# Altium PCB Omarichet_EPS - Copy.PcbDoc (part 1 of 3) (continued)
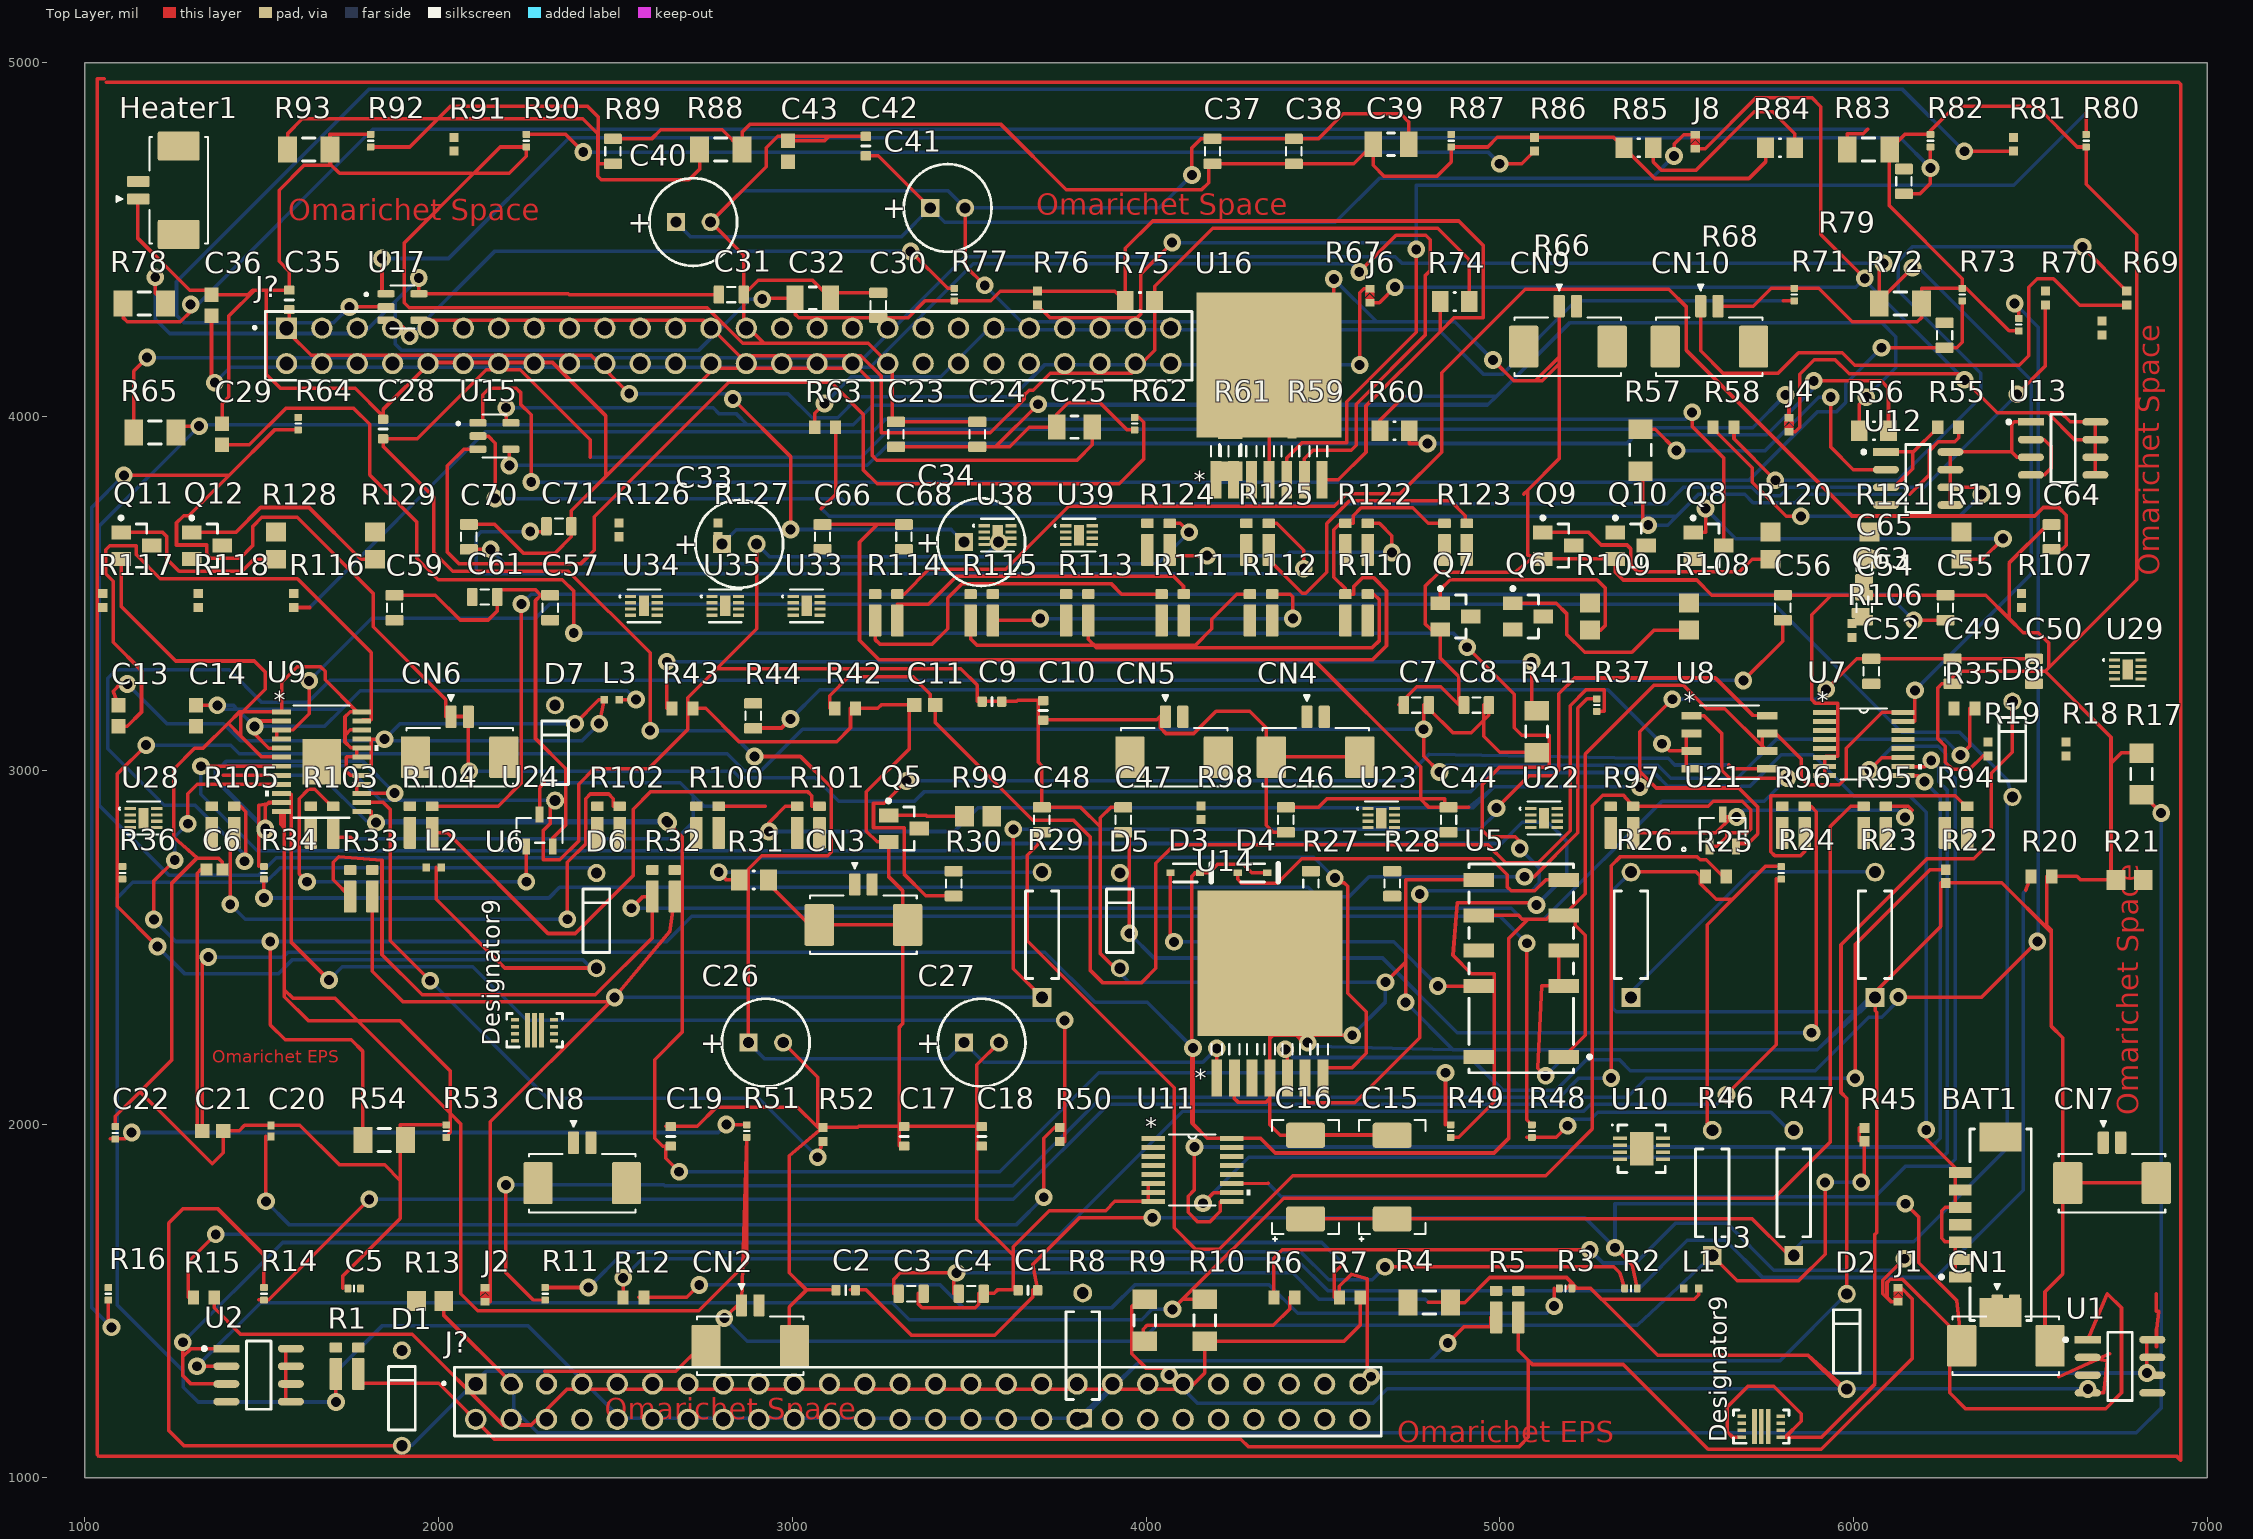
[diagram p0: Top Layer view]
## Components (designator, comment, footprint, x,y, rotation, side; value= is the part's Value field where it differs from the comment) (continued)
R19 "Resistor 1k +/-1% 0402 100 mW" RESC1005X40X25ML05T05 6381.18,3060 r90 top value=1k
R20 "Resistor 100k +/-1% 0603 100 mW" RESC1608X55X25ML10T15 6531.18,2700 r0 top value=100k
R21 "Resistor 1k +/-1% 0805 125 mW" RESC2013X70X40ML20T20 6781.18,2690 r0 top value=1k
R22 "Resistor 10R +/-5% 0402 63 mW" RESC1005X40X25ML10T10 6261.18,2700 r90 top value=10
R23 "MFR-25FBF52-10K" RESA60-630X240 6061.18,2535 r90 top value=10k
R24 "Resistor 25K5 +/-1 % 0402 63 mW" RESC0402(1005)_L 5796.18,2710 r90 top value=25.5k
R25 "Resistor 10k +/-1% 0603 100 mW" RESC1608X55X25ML10T15 5611.18,2700 r0 top value=10k
R26 "MFR-25FBF52-10K" RESA60-630X240 5371.18,2535 r90 top value=10k
R27 "Resistor 1K +/-5% 0805 125 mW" RESC0805(2012)_L 4466.18,2680 r90 top value=1k
R28 "Resistor 1K +/-5% 0805 125 mW" RESC0805(2012)_L 4696.18,2680 r90 top value=1k
R29 "MFR-25FBF52-22K1" RESA60-630X240 3706.18,2535 r90 top value=22.1k
R30 "Resistor 1K +/-5% 0805 125 mW" RESC0805(2012)_L 3456.18,2680 r90 top value=1k
R31 "Resistor 10k +/-1% 0805 125 mW" RESC2013X50X35ML15T15 2891.18,2690 r0 top value=10k
R32 "Resistor 7mR +/-1% 1206 63 mW" SUSUMU-3216T4A 2636.18,2665 r0 top value=7m
R33 "Resistor 7mR +/-1% 1206 63 mW" SUSUMU-3216T4A 1781.18,2665 r0 top value=7m
R34 "Resistor 200K +/-1 % 0402 63 mW" RESC0402(1005)_L 1506.18,2710 r90 top value=200k
R35 "Resistor 100k +/-1% 0603 100 mW" RESC1608X55X25ML10T15 6314.43,3174.25 r0 top value=100k
R36 "Resistor 1M +/-1 % 0402 63 mW" RESC0402(1005)_L 1106.18,2710 r90 top value=1M
R37 "Resistor 2K +/-5 % 0402 63 mW" RESC0402(1005)_L 5274.43,3184.25 r90 top value=2k
R41 "Resistor 0R +/- 0.05% 1206 250 mW" RESC3116X70X50ML13T20 5104.43,3109.25 r90 top value=0
R42 "Resistor 10k +/-1% 0603 100 mW" RESC1608X55X25ML10T15 3149.43,3174.25 r0 top value=10k
R43 "Resistor 100k +/-1% 0603 100 mW" RESC1608X55X25ML10T15 2689.43,3174.25 r0 top value=100k
R44 "Resistor 1K +/-5% 0805 125 mW" RESC0805(2012)_L 2889.43,3154.25 r90 top value=1k
R45 "Resistor 15k +/-1% 0402 63 mW" RESC1005X40X25ML10T10 6031.18,1970 r90 top value=15k
R46 "MFR-25FBF52-475K" RESA60-630X240 5601.18,1805 r90 top value=475k
R47 "MFR-25FBF52-1M" RESA60-630X240 5831.18,1805 r90 top value=1M
R48 "953KR2F" RESC0402(1005)_L 5091.18,1980 r90 top value=953k
R49 "Resistor 383K +/-1 % 0402 63 mW" RESC0402(1005)_L 4861.18,1980 r90 top value=383k
R50 "Resistor 100k +/-1% 0402 63 mW" RESC1005X40X25ML05T05 3756.18,1970 r90 top value=100k
R51 "1D6KR2J" RESC0402(1005)_L 2871.18,1980 r90 top value=1.6k
R52 "Resistor 100k +/-1% 0402 63 mW" RESC1005X40X25ML05T05 3086.18,1970 r90 top value=100k
R53 "100KR2F" RESC0402(1005)_L 2021.18,1980 r90 top value=100k
R54 "Resistor 100k +/-1% 1206 250 mW" RESC3216X60X45ML15T20 1846.18,1955 r0 top value=100k
R55 "Resistor 100k +/-1% 0603 100 mW" RESC1608X55X25ML10T15 6267.91,3970 r0 top value=100k
R56 "Resistor 0R +/- 1% 0805 125 mW" RESC2013X50X35ML15T15 6057.91,3960 r0 top value=0
R57 "Resistor 1k +/-1% 1206 250 mW" RESC3116X70X50ML13T20 5397.91,3905 r90 top value=1k
R58 "Resistor 100k +/-1% 0603 100 mW" RESC1608X55X25ML10T15 5632.91,3970 r0 top value=100k
R59 "Resistor 4k7 +/-1% 0402 63 mW" RESC1005X40X25ML05T05 4412.91,3970 r90 top value=4.7k
R60 "Resistor 0R +/- 1% 0805 125 mW" RESC2013X50X35ML15T15 4702.91,3960 r0 top value=0
R61 "Resistor 1k +/-1% 1206 250 mW" RESC3116X70X50ML13T20 4237.91,3905 r90 top value=1k
R62 "Resistor 100R +/-1 % 0402 63 mW" RESC0402(1005)_L 3967.91,3980 r90 top value=100
R63 "Resistor 0R +/- 5% 0603 100 mW" RESC1608X55X25ML10T15 3092.91,3970 r0 top value=0
R64 "Resistor 100K +/-1 % 0402 63 mW" RESC0402(1005)_L 1602.91,3980 r90 top value=100k
R65 "Resistor 10k +/-1% 1206 250 mW" RESC3216X60X45ML15T20 1197.91,3955 r0 top value=10k
R66 "Resistor 1k +/-1% 0402 63 mW" RESC1005X40X25ML05T05 6702.91,4250 r90 top value=100k
R67 "Resistor 1K +/-5 % 0402 63 mW" RESC0402(1005)_L 6467.91,4260 r90 top value=1k
R68 "Resistor 1K +/-5% 0805 125 mW" RESC0805(2012)_L 6257.91,4230 r90 top value=1k
R69 "Resistor 100k +/-1% 0402 100 mW" RESC1005X40X25ML05T05 6772.91,4335 r90 top value=100k
R70 "Resistor 1k +/-1% 0402 100 mW" RESC1005X40X25ML05T05 6542.91,4335 r90 top value=1k
R71 "Resistor 25K5 +/-1 % 0402 63 mW" RESC0402(1005)_L 5832.91,4345 r90 top value=25.5k
R72 "Resistor 10k +/-1% 1206 250 mW" RESC3216X60X45ML15T20 6132.91,4320 r0 top value=10k
R73 "Resistor 4K7  +/-1 % 0402 63 mW" RESC0402(1005)_L 6307.91,4345 r90 top value=4.7k
R74 "Resistor 0R +/- 1% 0805 125 mW" RESC2013X50X35ML15T15 4872.91,4325 r0 top value=0
R75 "Resistor 0R +/- 1% 0805 125 mW" RESC2013X50X35ML15T15 3982.91,4325 r0 top value=0
R76 "Resistor 4k7 +/-1% 0402 63 mW" RESC1005X40X25ML05T05 3692.91,4335 r90 top value=4.7k
R77 "Resistor 100R +/-1 % 0402 63 mW" RESC0402(1005)_L 3457.91,4345 r90 top value=100
R78 "Resistor 10k +/-1% 1206 250 mW" RESC3216X60X45ML15T20 1167.91,4320 r0 top value=10k
R79 "Resistor 1K +/-5% 0805 125 mW" RESC0805(2012)_L 6142.91,4665 r90 top value=1k
R80 "Resistor 1K +/-5 % 0402 63 mW" RESC0402(1005)_L 6657.91,4780 r90 top value=1k
R81 "Resistor 1k +/-1% 0402 100 mW" RESC1005X40X25ML05T05 6452.91,4770 r90 top value=1k
R82 "Resistor 4K7  +/-1 % 0402 63 mW" RESC0402(1005)_L 6217.91,4780 r90 top value=4.7k
R83 "Resistor 10k +/-1% 1206 250 mW" RESC3216X60X45ML15T20 6042.91,4755 r0 top value=10k
R84 "Resistor 0R +/- 1% 0805 125 mW" RESC2013X50X35ML15T15 5792.91,4760 r0 top value=0
R85 "Resistor 0R +/- 1% 0805 125 mW" RESC2013X50X35ML15T15 5392.91,4760 r0 top value=0
R86 "Resistor 4k7 +/-1% 0402 63 mW" RESC1005X40X25ML05T05 5097.91,4770 r90 top value=4.7k
R87 "Resistor 100R +/-1 % 0402 63 mW" RESC0402(1005)_L 4862.91,4780 r90 top value=100
R88 "Resistor 10k +/-1% 1206 250 mW" RESC3216X60X45ML15T20 2797.91,4755 r0 top value=10k
R89 "Resistor 1K +/-5% 0805 125 mW" RESC0805(2012)_L 2492.91,4750 r90 top value=1k
R90 "Resistor 1K +/-5 % 0402 63 mW" RESC0402(1005)_L 2247.91,4780 r90 top value=1k
R91 "Resistor 1k +/-1% 0402 100 mW" RESC1005X40X25ML05T05 2042.91,4770 r90 top value=1k
R92 "Resistor 4K7  +/-1 % 0402 63 mW" RESC0402(1005)_L 1807.91,4780 r90 top value=4.7k
R93 "Resistor 10k +/-1% 1206 250 mW" RESC3216X60X45ML15T20 1632.91,4755 r0 top value=10k
R94 "Resistor 7mR +/-1% 1206 63 mW" SUSUMU-3216T4A 6290.43,2845 r0 top value=7m
R95 "Resistor 7mR +/-1% 1206 63 mW" SUSUMU-3216T4A 6060.43,2845 r0 top value=7m
R96 "Resistor 7mR +/-1% 1206 63 mW" SUSUMU-3216T4A 5830.43,2845 r0 top value=7m
R97 "Resistor 7mR +/-1% 1206 63 mW" SUSUMU-3216T4A 5345.43,2845 r0 top value=7m
R98 "Resistor 1k +/-1% 0402 100 mW" RESC1005X40X25ML05T05 4155.43,2880 r90 top value=1k
R99 "Resistor 4k7 +/-1% 0805 125 mW" RESC2013X70X40ML20T20 3525.43,2870 r0 top value=4.7k
R100 "Resistor 7mR +/-1% 1206 63 mW" SUSUMU-3216T4A 2760.43,2845 r0 top value=7m
R101 "Resistor 7mR +/-1% 1206 63 mW" SUSUMU-3216T4A 3045.43,2845 r0 top value=7m
R102 "Resistor 7mR +/-1% 1206 63 mW" SUSUMU-3216T4A 2480.43,2845 r0 top value=7m
R103 "Resistor 7mR +/-1% 1206 63 mW" SUSUMU-3216T4A 1670.43,2845 r0 top value=7m
R104 "Resistor 7mR +/-1% 1206 63 mW" SUSUMU-3216T4A 1950.43,2845 r0 top value=7m
R105 "Resistor 7mR +/-1% 1206 63 mW" SUSUMU-3216T4A 1390.43,2845 r0 top value=7m
R106 "Resistor 1k +/-1% 0402 100 mW" RESC1005X40X25ML05T05 5995.43,3395 r90 top value=1k
R107 "Resistor 1k +/-1% 0402 100 mW" RESC1005X40X25ML05T05 6475.43,3480 r90 top value=1k
R108 "Resistor 4k7 +/-1% 0805 125 mW" RESC2013X70X40ML20T20 5535.43,3435 r90 top value=4.7k
R109 "Resistor 4k7 +/-1% 0805 125 mW" RESC2013X70X40ML20T20 5255.43,3435 r90 top value=4.7k
R110 "Resistor 7mR +/-1% 1206 63 mW" SUSUMU-3216T4A 4595.43,3445 r0 top value=7m
R111 "Resistor 7mR +/-1% 1206 63 mW" SUSUMU-3216T4A 4075.43,3445 r0 top value=7m
R112 "Resistor 7mR +/-1% 1206 63 mW" SUSUMU-3216T4A 4325.43,3445 r0 top value=7m
R113 "Resistor 7mR +/-1% 1206 63 mW" SUSUMU-3216T4A 3805.43,3445 r0 top value=7m
R114 "Resistor 7mR +/-1% 1206 63 mW" SUSUMU-3216T4A 3265.43,3445 r0 top value=7m
R115 "Resistor 7mR +/-1% 1206 63 mW" SUSUMU-3216T4A 3535.43,3445 r0 top value=7m
R116 "Resistor 1k +/-1% 0402 100 mW" RESC1005X40X25ML05T05 1590.43,3480 r90 top value=1k
R117 "Resistor 1k +/-1% 0402 100 mW" RESC1005X40X25ML05T05 1050.43,3480 r90 top value=1k
R118 "Resistor 1k +/-1% 0402 100 mW" RESC1005X40X25ML05T05 1320.43,3480 r90 top value=1k
R119 "Resistor 4k7 +/-1% 0805 125 mW" RESC2013X70X40ML20T20 6305.43,3635 r90 top value=4.7k
R120 "Resistor 4k7 +/-1% 0805 125 mW" RESC2013X70X40ML20T20 5765.43,3635 r90 top value=4.7k
R121 "Resistor 4k7 +/-1% 0805 125 mW" RESC2013X70X40ML20T20 6045.43,3635 r90 top value=4.7k
R122 "Resistor 7mR +/-1% 1206 63 mW" SUSUMU-3216T4A 4595.43,3645 r0 top value=7m
R123 "Resistor 7mR +/-1% 1206 63 mW" SUSUMU-3216T4A 4875.43,3645 r0 top value=7m
R124 "Resistor 7mR +/-1% 1206 63 mW" SUSUMU-3216T4A 4035.43,3645 r0 top value=7m
R125 "Resistor 7mR +/-1% 1206 63 mW" SUSUMU-3216T4A 4315.43,3645 r0 top value=7m
R126 "Resistor 1k +/-1% 0402 100 mW" RESC1005X40X25ML05T05 2510.43,3680 r90 top value=1k
R127 "Resistor 1k +/-1% 0402 100 mW" RESC1005X40X25ML05T05 2790.43,3680 r90 top value=1k
R128 "Resistor 4k7 +/-1% 0805 125 mW" RESC2013X70X40ML20T20 1540.43,3635 r90 top value=4.7k
R129 "Resistor 4k7 +/-1% 0805 125 mW" RESC2013X70X40ML20T20 1820.43,3635 r90 top value=4.7k
U1 "IRF7329TRPBF" Infineon_PG-DSO-8_IPC_C 6753.82,1315 r0 top
U2 "IRF7329TRPBF" Infineon_PG-DSO-8_IPC_C 1491.18,1290 r0 top
U3 "TPS621361RGXR" RGX0011A 5739.55,1144.41 r90 top
U5 "G6SK-2G DC5" Omron_0_MFG 5061.18,2440 r90 top
U6 "TPS621361RGXR" RGX0011A 2271.18,2265 r90 top
U7 "CD74HC4051QPWRQ1" PW16 6029.43,3074.25 r0 top
U8 "INA286" D8_TEX 5649.43,3079.25 r0 top
U9 "LTC3119" FE_24_ADI 1669.43,3024.25 r0 top
U10 "CN3065" CONS-DFN-8_M 5401.18,1930 r0 top
U11 "CD74HC4051QPWRQ1" PW16 4131.18,1870 r0 top
U12 "IRF7329TRPBF" Infineon_PG-DSO-8_IPC_C 6182.91,3825 r0 top
U13 "IRF7329TRPBF" Infineon_PG-DSO-8_IPC_C 6592.91,3910 r0 top
U14 "LMZ22005" TZA07A 4350,2448.5 r0 top
U15 "LT6106" SOT95P280X100-5N_LT6106CS5#TRPBF 2157.91,3945 r0 top
U16 "LMZ22005" TZA07A 4347.91,4140 r0 top
U17 "LT6106" SOT95P280X100-5N_LT6106CS5#TRPBF 1897.91,4310 r0 top
U21 "IRFML8244TRPBF" SOT23_527AG_ONS 5630.43,2830 r0 top
U22 "LTC4361" DFN-8_DC_LIT 5125.43,2865 r0 top
U23 "LTC4361" DFN-8_DC_LIT 4665.43,2865 r0 top
U24 "IRFML8244TRPBF" SOT23_527AG_ONS 2285.43,2830 r0 top
U28 "LTC4361" DFN-8_DC_LIT 1165.43,2865 r0 top
U29 "LTC4361" DFN-8_DC_LIT 6775.43,3285 r0 top
U33 "LTC4361" DFN-8_DC_LIT 3040.43,3465 r0 top
U34 "LTC4361" DFN-8_DC_LIT 2580.43,3465 r0 top
U35 "LTC4361" DFN-8_DC_LIT 2810.43,3465 r0 top
U38 "LTC4361" DFN-8_DC_LIT 3580.43,3665 r0 top
U39 "LTC4361" DFN-8_DC_LIT 3810.43,3665 r0 top

## Footprints (in the part's own frame and the unit in brackets; to place one, negate y for a bottom-side part, rotate by r counter-clockwise, add the part's x,y. Pads: shape width x height; smd on the part's side, far side on the other; paste and mask are expansions set on the pad)
CAPC0402(1005)60_L [mm] "Chip Capacitor, Body 1.0x0.5mm, Height 0.6mm, IPC High Density"
  rrect25% 0.5x0.55 smd: 1(-0.45,0) 2(0.45,0)
  silkscreen extent 0,-0.2 0,0.2, body extent -0.5,-0.25 0.5,0.25, height 0.6
CAPC0603(1608)100_L [mil] "Chip Capacitor, Body 1.6x0.8mm, Height 1.0mm, IPC High Density"
  rrect25% 26x29.92 smd: 1(-27.56,0) 2(27.56,0)
  silkscreen extent 0,-12 0,12, body extent -31,-16 31,16, height 37
CAPC0805(2012)145_L [mm] "Chip Capacitor, Body 2.0x1.2mm, Height 1.45mm, IPC High Density"
  rrect25% 0.76x1.3 smd: 1(-0.9,0) 2(0.89,0)
  silkscreen extent -0.3,-0.55 0.3,0.55, body extent -1,-0.6 1,0.6, height 1.45
CAPC1005X55X25LL05T10 [mm] "Chip Capacitor, 2-Leads, Body 1.05x0.55mm, IPC High Density"
  rect 0.56x0.52 smd: 1(-0.39,0) 2(0.39,0)
  body extent -0.53,-0.28 0.53,0.28, height 0.55
CAPC1608X90X40LL10T20 [mm] "Chip Capacitor, 2-Leads, Body 1.70x0.90mm, IPC High Density"
  rect 0.85x0.85 smd: 1(-0.575,0) 2(0.575,0)
  body extent -0.85,-0.45 0.85,0.45, height 0.9
CAPC1608X94X35NL15T15 [mm] "Chip Capacitor, 2-Leads, Body 1.75x0.96mm, IPC Medium Density"
  rect 1.05x1 smd: 1(-0.75,0) 2(0.75,0)
  body extent -0.87,-0.48 0.87,0.48, height 0.94
CAPC3216X190X55LL30T25 [mm] "Chip Capacitor, 2-Leads, Body 3.5x1.9mm, IPC High Density"
  rect 1.25x1.8 smd: 1(-1.275,0) 2(1.275,0)
  silkscreen extent -0.25,-0.8 0.25,0.8, body extent -1.75,-0.95 1.75,0.95, height 1.9
CAPPR55-250-1120X630X1220 [mm] "THD, 2-Leads, Dia 6.3mm, Pin Spacing 2.5mm"
  rect 1.3x1.3 hole 0.8: 1(-1.25,0)
  round 1.3 hole 0.8: 2(1.25,0)
  silkscreen extent -3.15,-3.15 3.15,3.15, body extent -3.15,-3.15 3.16,3.15, height 12.21
CONS-DFN-8_M [mm] "SON, 8-Leads, Body 3.1x3.1mm, Pitch 0.5mm, Thermal Pad 2.4x1.7mm, IPC Low Density"
  rect 1x0.25 smd: 1(-1.55,0.75) 2(-1.55,0.25) 3(-1.55,-0.25) 4(-1.55,-0.75) 5(1.55,-0.75) 6(1.55,-0.25) 7(1.55,0.25) 8(1.55,0.75)
  rect 1.7x2.4 smd: 9(0,0)
  silkscreen extent -2.15,-1.7 1.7,1.75, body extent -1.55,-1.55 1.55,1.55, height 0.9
D8_TEX [mil]
  rect 57.5x22 smd paste+0 mask+0: 1(-107.25,75) 2(-107.25,25) 3(-107.25,-25) 4(-107.25,-75) 5(107.25,-75) 6(107.25,-25) 7(107.25,25) 8(107.25,75)
  silkscreen extent -84,-104 84,104, body extent -122,-99 122,99, height 69
DFN-8_DC_LIT [mm]
  rect 0.805x0.229 smd paste+0 mask+0: 1(-0.952,0.675) 2(-0.952,0.225) 3(-0.952,-0.225) 4(-0.952,-0.675) 5(0.952,-0.675) 6(0.952,-0.225) 7(0.952,0.225) 8(0.952,0.675)
  rect 0.74x1.47 smd paste+0 mask+0: 9(0,0)
  silkscreen extent -1.76,-1.18 1.18,1.18, body extent -1.05,-1.05 1.05,1.05, height 0.8
DIOD-SOD323-2-A_V [mm] "SOD-323, 2-Leads, Body 1.7x1.3mm, Lead Span 2.5mm"
  rect 0.59x0.45 smd: 1(-1.055,0) 2(1.055,0)
  silkscreen extent -0.85,-0.65 1.85,0.65, body extent -1.24,-0.7 1.24,0.7, height 1.2
EEF-CX1E330R-Footprint-1 [mm]
  rrect20% 1.8x2.8 smd: 1(-3,0) 2(3,0)
  silkscreen extent -4.6,-2.4 4.1,2.4, body extent -3.7,-2.15 3.7,2.15, height 1.85
FAIR-DO-35-2 [mm] "TH, 2-Leads, Dia 1.91mm"
  round 1.3 hole 0.8: 1(-3.42,0) 2(3.42,0)
  silkscreen extent -2.28,-0.95 2.28,0.95, body extent -3.7,-0.95 3.7,0.95, height 1.91
FAIR-SOT23-3_V [mm] "SOT23, 3-Leads, Body 3.12x1.5mm, Pitch 0.95mm"
  rect 1.4x1 smd: 1(-1.1,0.95) 2(-1.1,-0.95) 3(1.1,0)
  silkscreen extent -1.22,-1.55 0.75,2.12, body extent -1.35,-1.56 1.35,1.56, height 1.2
FE_24_ADI [mil]
  rect 53.5x14 smd paste+0 mask+0: 1(-113.25,140.75) 2(-113.25,115.16) 3(-113.25,89.57) 4(-113.25,63.98) 5(-113.25,38.39) 6(-113.25,12.8) 7(-113.25,-12.8) 8(-113.25,-38.39) 9(-113.25,-63.98) 10(-113.25,-89.57) 11(-113.25,-115.16) 12(-113.25,-140.75) 13(113.25,-140.75) 14(113.25,-115.16) 15(113.25,-89.57) 16(113.25,-63.98) 17(113.25,-38.39) 18(113.25,-12.8) 19(113.25,12.8) 20(113.25,38.39) 21(113.25,63.98) 22(113.25,89.57) 23(113.25,115.16) 24(113.25,140.75)
  rect 108x128 smd paste-63.5 mask+0: EPAD(0,0)
  silkscreen extent -160,-158 160,158, body extent -126,-154 126,154, height 47
IND1005X55X20VL5T10 [mm] "Chip Inductor, 2-Leads, Body 1.05x0.55mm"
  rect 0.525x0.55 smd: 1(-0.538,0) 2(0.538,0)
  body extent -0.53,-0.28 0.53,0.28, height 0.55
Infineon_PG-DSO-8_IPC_C [mil]
  rect 73.78x21.39 smd paste+0 mask+0: 1(-91.18,75)
  rrect100% 73.78x21.39 smd paste+0 mask+0: 2(-91.18,25) 3(-91.18,-25) 4(-91.18,-75) 5(91.18,-75) 6(91.18,-25) 7(91.18,25) 8(91.18,75)
  silkscreen extent -159,-96 35,96, body extent -132,-100 132,100, height 10
JUMPER [mm]
  rect 0.65x0.55 smd paste-2.54 mask-2.54: 1(0,-0.45) 2(0,0.55)
  Top Layer region: -0.325,-0.175 0.003,0.152 0.325,-0.175
  Top Layer region: -0.325,-0.041 0,0.284 0.325,-0.041 0.325,0.318 -0.325,0.318
Molex_0_MFG [mm]
  rect 0.8x1.6 smd paste+0 mask+0: 1(-3.75,2.9) 2(-2.5,2.9) 3(-1.25,2.9) 4(0,2.9) 5(1.25,2.9) 6(2.5,2.9) 7(3.75,2.9)
  rect 2.1x3 smd paste+0 mask+0: 8(-6.3,0) 9(6.3,0)
  silkscreen extent -6.88,-2.2 6.88,4.37, body extent -7.45,-2.3 7.45,3.8, height 0.25
MOLX-532610271_V [mm] "SMD, 2-Leads, Body 7.65x4.2mm, Pitch 1.25mm"
  rrect20% 0.8x1.6 smd: 1(-0.625,1.45) 2(0.625,1.45)
  rrect10% 2.1x3 smd: MP1(-3.175,-1.45) MP2(3.175,-1.45)
  silkscreen extent -3.82,-3.55 3.82,3, body extent -3.82,-3.55 3.83,1.65, height 3.4
Omron_0_MFG [mm]
  rect 1x2.2 smd paste+0 mask+0: 1(-6.35,-3.05) 3(-1.27,-3.05) 4(1.27,-3.05) 5(3.81,-3.05) 6(6.35,-3.05) 7(6.35,3.05) 8(3.81,3.05) 9(1.27,3.05) 10(-1.27,3.05) 12(-6.35,3.05)
  silkscreen extent -7.5,-5.03 7.5,3.75, body extent -7.6,-4.25 7.6,4.25, height 0.25
PW16 [mil]
  rect 66x14 smd: 1(-111,89.57) 2(-111,63.98) 3(-111,38.39) 4(-111,12.8) 5(-111,-12.8) 6(-111,-38.39) 7(-111,-63.98) 8(-111,-89.57) 9(111,-89.57) 10(111,-63.98) 11(111,-38.39) 12(111,-12.8) 13(111,12.8) 14(111,38.39) 15(111,63.98) 16(111,89.57)
  silkscreen extent -66,-100 164,100, body extent -130,-101 130,101, height 47
RESA60-630X240 [mm] "Axial Resistor, 2-Leads, Dia 2.4mm, Body Length 6.3mm"
  rect 1.35x1.35 hole 0.85: 1(-4.5,0)
  round 1.35 hole 0.85: 2(4.5,0)
  silkscreen extent -3.15,-1.2 3.15,1.2, body extent -4.77,-1.19 4.77,1.2, height 2.4
RESC0402(1005)_L [mm] "Chip Resistor, Body 1.0x0.5mm, IPC High Density"
  rrect25% 0.5x0.55 smd: 1(-0.45,0) 2(0.45,0)
  silkscreen extent 0,-0.2 0,0.2, body extent -0.5,-0.25 0.5,0.25, height 0.3
RESC0805(2012)_L [mm] "Chip Resistor, Body 2.0x1.3mm, IPC High Density"
  rrect25% 0.76x1.3 smd: 1(-0.9,0) 2(0.89,0)
  silkscreen extent -0.3,-0.55 0.3,0.55, body extent -1,-0.62 1,0.63, height 0.6
RESC1005X40X25ML05T05 [mm] "Chip Resistor, 2-Leads, Body 1.05x0.55mm, IPC Low Density"
  rect 0.65x0.65 smd: 1(-0.5,0) 2(0.5,0)
  body extent -0.53,-0.28 0.53,0.28, height 0.4
RESC1005X40X25ML10T10 [mm] "Chip Resistor, 2-Leads, Body 1.1x0.6mm, IPC Low Density"
  rect 0.75x0.7 smd: 1(-0.475,0) 2(0.475,0)
  body extent -0.55,-0.27 0.55,0.28, height 0.4
RESC1608X55X25ML10T15 [mm] "Chip Resistor, 2-Leads, Body 1.70x0.90mm, IPC Low Density"
  rect 0.8x1 smd: 1(-0.75,0) 2(0.75,0)
  body extent -0.85,-0.45 0.85,0.45, height 0.55
RESC2013X50X35ML15T15 [mm] "Chip Resistor, 2-Leads, Body 2.2x1.4mm, IPC Low Density"
  rect 1.2x1.5 smd: 1(-1.05,0) 2(1.05,0)
  silkscreen extent -0.05,-0.65 0.05,0.65, body extent -1.1,-0.7 1.1,0.7, height 0.5
RESC2013X70X40ML20T20 [mm] "Chip Resistor, 2-Leads, Body 2.2x1.35mm, IPC Low Density"
  rect 1.35x1.45 smd: 1(-0.975,0) 2(0.975,0)
  body extent -1.1,-0.67 1.1,0.67, height 0.7
RESC3116X70X50ML13T20 [mm] "Chip Resistor, 2-Leads, Body 3.25x1.65mm, IPC Low Density"
  rect 1.4x1.75 smd: 1(-1.5,0) 2(1.5,0)
  silkscreen extent -0.4,-0.78 0.4,0.78, body extent -1.63,-0.82 1.63,0.82, height 0.7
RESC3216X60X45ML15T20 [mm] "Chip Resistor, 2-Leads, Body 3.3x1.75mm, IPC Low Density"
  rect 1.35x1.85 smd: 1(-1.525,0) 2(1.525,0)
  silkscreen extent -0.45,-0.82 0.45,0.82, body extent -1.65,-0.87 1.65,0.87, height 0.6
RGX0011A [mm]
  rect 2.5x0.35 smd paste-1.237 mask-0.051: 1(0,0.5) 2(0,0) 3(0,-0.5)
  rect 0.25x0.6 smd paste+0 mask+0.051: 4(-0.75,-1.4) 5(-0.25,-1.4) 6(0.25,-1.4) 7(0.75,-1.4) 8(0.75,1.4) 9(0.25,1.4) 10(-0.25,1.4) 11(-0.75,1.4)
  silkscreen extent -1.2,-2 1.2,2, body extent 0,0 0.25,0.25, height 0.25
SAMTEC_SSQ-126-X-G-D [mm]
  rect 1.53x1.53 hole 1.02: 01(31.75,-1.27)
  round 1.53 hole 1.02: 02(31.75,1.27) 03(29.21,-1.27) 04(29.21,1.27) 05(26.67,-1.27) 06(26.67,1.27) 07(24.13,-1.27) 08(24.13,1.27) 09(21.59,-1.27) 10(21.59,1.27) 11(19.05,-1.27) 12(19.05,1.27) 13(16.51,-1.27) 14(16.51,1.27) 15(13.97,-1.27) 16(13.97,1.27) 17(11.43,-1.27) 18(11.43,1.27) 19(8.89,-1.27) 20(8.89,1.27) 21(6.35,-1.27) 22(6.35,1.27) 23(3.81,-1.27) 24(3.81,1.27) 25(1.27,-1.27) 26(1.27,1.27) 27(-1.27,-1.27) 28(-1.27,1.27) 29(-3.81,-1.27) 30(-3.81,1.27) 31(-6.35,-1.27) 32(-6.35,1.27) 33(-8.89,-1.27) 34(-8.89,1.27) 35(-11.43,-1.27) 36(-11.43,1.27) 37(-13.97,-1.27) 38(-13.97,1.27) 39(-16.51,-1.27) 40(-16.51,1.27) 41(-19.05,-1.27) 42(-19.05,1.27) 43(-21.59,-1.27) 44(-21.59,1.27) 45(-24.13,-1.27) 46(-24.13,1.27) 47(-26.67,-1.27) 48(-26.67,1.27) 49(-29.21,-1.27) 50(-29.21,1.27) 51(-31.75,-1.27) 52(-31.75,1.27)
  silkscreen extent -33.28,-2.47 34.13,2.47
SOT23_527AG_ONS [mil]
  rect 22x45 smd paste+0 mask+0: 1(-37.4,-45) 2(37.4,-45) 3(0,45)
  silkscreen extent -115,-58 65,35, body extent -60,-54 60,54, height 44
SOT95P280X100-5N_LT6106CS5#TRPBF [mm]
  rrect50% 1.24x0.55 smd: 1(-1.185,0.95) 2(-1.185,0) 3(-1.185,-0.95) 4(1.185,-0.95) 5(1.185,0.95)
  silkscreen extent -2.7,-1.54 0.88,1.54, body extent -1.45,-1.4 1.45,1.4, height 0.4
SUSUMU-3216T4A [mm] "SMD, 4-Leads, Body 3.2x1.6mm"
  rrect15% 0.9x2.3 smd: 1(-0.8,-0.55) 2(0.8,-0.55)
  rrect20% 0.9x0.7 smd: 3(-0.8,1.35) 4(0.8,1.35)
  body extent -0.8,-1.6 0.8,1.6, height 0.55
TZA07A [mil]
  rect 31x105 smd: 1(-150,-318.5) 2(-100,-318.5) 3(-50,-318.5) 4(0,-318.5) 5(50,-318.5) 6(100,-318.5) 7(150,-318.5)
  rect 410x410 smd: 8(0,6)
  silkscreen extent -164,-252 165,-223, body extent -205,-272 205,199, height 184

## Part data
BAT1: "CONN HEADER SMD R/A 7POS 1.25MM", Color=Natural, Contact Resistance=20mR, Current Rating=1A, Flammability Rating="UL94 V-0", Insulation Resistance=100MR, Manufacturer=Molex, Max Operating Temperature=85°C, Min Operating Temperature=-40°C, Supplier Part Number 1=WM7625CT-ND, Voltage Rating=125V, Body Plating=Tin, ComponentLink1Description=http://www.molex.com/pdm_docs/sd/532610771_sd.pdf?src-supplier=Digi-Key, ComponentLink1URL=http://www.molex.com/pdm_docs/sd/532610771_sd.pdf?src-supplier=Digi-Key, ComponentLink2Description=https://www.molex.com/pdm_docs/sd/532610771_sd.pdf?src-supplier=Digi-Key, ComponentLink2URL=https://www.molex.com/pdm_docs/sd/532610771_sd.pdf?src-supplier=Digi-Key, ComponentLink3Description=http://uk.rs-online.com/webdocs/13c4/0900766b813c44c2.pdf?src-supplier=RSComponents, ComponentLink3URL=http://uk.rs-online.com/webdocs/13c4/0900766b813c44c2.pdf?src-supplier=RSComponents, ComponentLink4Description=http://www.farnell.com/datasheets/1867373.pdf?src-supplier=Element14, ComponentLink4URL=http://www.farnell.com/datasheets/1867373.pdf?src-supplier=Element14, ComponentLink5Description=http://www.jameco.com/Jameco/Products/ProdDS/1932571.pdf?src-supplier=Jameco, ComponentLink5URL=http://www.jameco.com/Jameco/Products/ProdDS/1932571.pdf?src-supplier=Jameco, ComponentLink6Description=http://www.farnell.com/cad/1768013.pdf?src-supplier=Farnell, ComponentLink6URL=http://www.farnell.com/cad/1768013.pdf?src-supplier=Farnell, ComponentLink7Description=http://www.molex.com/webdocs/datasheets/pdf/en-us/0532610771_PCB_HEADERS.pdf?src-supplier=Avnet, ComponentLink7URL=http://www.molex.com/webdocs/datasheets/pdf/en-us/0532610771_PCB_HEADERS.pdf?src-supplier=Avnet, ComponentLink8Description=http://www.farnell.com/datasheets/1801021.pdf?src-supplier=Element14, ComponentLink8URL=http://www.farnell.com/datasheets/1801021.pdf?src-supplier=Element14, Connector Type="Blade Pin", Contact Gender=Male, Contact Material=Bronze,Tin,Brass, Contact Plating=Tin, Contact Type="Blade Pin", Depth=5.2mm, Housing Color=Natural, Housing Material=Nylon, Lead Pitch=1.25mm, Length=13.9mm, Manufacturer Part Number=53261-0771, Mount="Surface Mount", Number of Contacts=7, Number of Positions=7, Number of Rows=1, Orientation="Right Angle", Packaging="Tape and Reel", Pitch=1.25mm, Pricing 1="1=0.79, 10=0.668, 100=0.5198 (USD)", Radiation Hardening=No, REACH SVHC=Unknown, RoHS Compliant=Yes, Series=PicoBlade, Stock 1=18897, Supplier 1=Digi-Key, Termination=Solder, Voltage Rating (AC)=125V, Working Voltage=125V
C1 C2 C9 C10 C17 C18 C19: library part CMP-001-00076-4, "Chip Capacitor, 4.7µF +/-20%, 10V, 0603, Thickness 1 mm", Case/Package=0603, Max Operating Temperature=85°C, Min Operating Temperature=-55°C, Tolerance=10%, Voltage Rating=10V, Mounting Technology=SMT, Pins=2
C3 C4 C7 C8: library part CMP-001-00081-4, "Chip Capacitor, 22µF +/-40%, 16V, 0805, Thickness 1.45 mm", Case/Package=0805, Max Operating Temperature=85°C, Min Operating Temperature=-55°C, Tolerance=5%, Voltage Rating=16V, Mounting Technology=SMT, Pins=2
C5: library part CMP-001-00056-4, "Chip Capacitor, 2,2µF +/-20%, 10V, 0402, Thickness 0.6 mm", Case/Package=0402, Max Operating Temperature=85°C, Min Operating Temperature=-55°C, Tolerance=10%, Voltage Rating=10V, Mounting Technology=SMT, Pins=2
C6: library part CMP-001-00005-6, "Chip Capacitor, 1 uF, +/- 10%, 25 V, 0603 (1608 Metric)", Capacitor Type=Ceramic, Case/Package=0603, Max Operating Temperature=125°C, Min Operating Temperature=-55°C, Tolerance=10%, Voltage Rating=25V, Mounting Technology=SM, Pins=2, RoHS Compliant=True
C11 C13 C14 C21 C29 C36 C43: library part CMP-001-00003-6, "Chip Capacitor, 1 uF, +/- 10%, 16 V, 0603 (1608 Metric)", Capacitor Type=Ceramic, Case/Package=0603, Max Operating Temperature=125°C, Min Operating Temperature=-55°C, Tolerance=10%, Voltage Rating=16V, Mounting Technology=SM, Pins=2, RoHS Compliant=True
C15 C16: library part CMP-001-00064-3, "Aluminum Organic Polymer Capacitors 33uF 25volt SP-Cap AEC-Q200", Case/Package=2917, Max Operating Temperature=105°C, Min Operating Temperature=-40°C, Tolerance=20%, Voltage Rating=25V, Mounting Technology=SMT, Pins=2
C20: library part CMP-001-00008-6, "Chip Capacitor, 1 uF, +/- 10%, 6.3 V, 0402 (1005 Metric)", Capacitor Type=Ceramic, Case/Package=0402, Max Operating Temperature=85°C, Min Operating Temperature=-55°C, Tolerance=10%, Voltage Rating=6.3V, Mounting Technology=SM, Pins=2, RoHS Compliant=True
C22: library part CMP-001-00060-4, "Chip Capacitor, 470nF +/-40%, 10V, 0402, Thickness 0.6 mm", Case/Package=0402, Max Operating Temperature=85°C, Min Operating Temperature=-55°C, Tolerance=20%, Voltage Rating=10V, Mounting Technology=SMT, Pins=2
C23 C24 C30 C31 C37 C38: library part CMP-001-00054-4, "Chip Capacitor, 100µF +/-20%, 6.3V, 0805, Thickness 1.45 mm", Case/Package=0805, Max Operating Temperature=85°C, Min Operating Temperature=-55°C, Tolerance=10%, Voltage Rating=6.3V, Mounting Technology=SMT, Pins=2
C25 C32 C39: library part CMP-001-00019-6, "Chip Capacitor, 100 uF, +/- 20%, 6.3 V, 1206 (3216 Metric)", Capacitor Type=Ceramic, Case/Package=1206, Max Operating Temperature=85°C, Min Operating Temperature=-55°C, Tolerance=20%, Voltage Rating=6.3V, Mounting Technology=SM, Pins=2, RoHS Compliant=True
C26 C27 C33 C34 C40 C41: library part CMP-001-00031-7, "Aluminum Electrolytic Capacitor, 47 uF, +/-20%, 50 V, -40 to 85 degC, 2-Pin THD, RoHS, Bulk", Capacitor Type=Electrolytic, Case/Package=Radial, Manufacturer=Panasonic, Max Operating Temperature=85°C, Min Operating Temperature=-40°C, Package Description="2-Pin Radial Lead, Dia 6.3 mm, Height 12.2 mm", Package Quantity=200, Package Reference=CAPPR55-250-1120X630X1220, Ripple Current=130mA, Tolerance=20%, Voltage Rating=50V, Datasheet URL=https://industrial.panasonic.com/cdbs/www-data/pdf/RDF0000/DMF0000COL72.pdf, Datasheet Version=Apr-16, Diameter=6.3mm, Lead Pitch=2.5mm, Manufacturer URL=http://www.panasonic.com/, Mounting Technology=TH, Packaging=Bulk, Pins=2, Ripple Current (AC)=130mA, RoHS Compliant=True
C28 C35 C42: library part CMP-001-00078-4, "Chip Capacitor, 1µF +/-40%, 50V, 0603, Thickness 1 mm", Case/Package=0603, Max Operating Temperature=85°C, Min Operating Temperature=-55°C, Tolerance=10%, Voltage Rating=50V, Mounting Technology=SMT, Pins=2
C44 C46 C47 C48 C49 C50 C52 C54 C55 C56 C57 C59 C61 C63 C64 C65 C66 C68 C70 C71: library part CMP-001-00079-4, "Chip Capacitor, 10µF +/-20%, 25V, 0805, Thickness 1.45 mm", Case/Package=0805, Max Operating Temperature=85°C, Min Operating Temperature=-55°C, Tolerance=10%, Voltage Rating=25V, Mounting Technology=SMT, Pins=2
CN1 CN2 CN3 CN4 CN5 CN6 CN7 CN8 CN9 CN10 Heater1: library part CMP-002-00051-3, "Header, Pitch 1.25 mm, 1 x 2 Position, Height 3.6 mm, -40 to 85 degC", Connector Type=WiretoBoard, Gender=HDR, Pins=4
D1 D2 D5 D6 D7 D8: library part CMP-004-00021-2, "Zener Diode, 3.6 V, 5 mA, -65 to 200 degC, 2-Pin DO-35, RoHS, Bulk", Case/Package=DO-35-2, Forward Voltage=1.5V, Manufacturer="Fairchild Semiconductor", Max Operating Temperature=200°C, Min Operating Temperature=-65°C, Package Description="2-Pin Through Hole Diode, Dia 1.72 mm, Body Length 3.805 mm", Package Quantity=1000, Power=500mW, Tolerance=6%, Datasheet URL=https://www.fairchildsemi.com/datasheets/BZ/BZX79C3V6.pdf, Datasheet Version="Rev. C1, 07/2007", Impedance=90Ohm, Manufacturer URL=https://www.fairchildsemi.com/, Mounting Technology=TH, Package Reference=DO-35-2, Package URL=https://www.fairchildsemi.com/package-drawings/DO/DO35A.pdf, Packaging=Bulk, Pins=2, RoHS Compliant=True
D3 D4: library part CMP-004-00002-2, "Fast Switching Diode, 75 V, 0.3 A, -65 to 150 degC, 2-Pin SOD323, RoHS, Tape and Reel", Case/Package=SOD, Forward Current=300mA, Forward Voltage=1.25V, Manufacturer="Diodes Inc", Max Operating Temperature=150°C, Max Surge Current=2A, Min Operating Temperature=-65°C, Package Description="2-Pin Small Outline Diode, Body 1.7 x 1.3 mm", Package Quantity=3000, Package Reference=SOD323-2, Peak Reverse Current=1uA, Datasheet URL=http://www.diodes.com/datasheets/ds30097.pdf, Datasheet Version="Rev. 25-2, 03/2016", Elements=1, Manufacturer URL=http://www.diodes.com/, Mounting Technology=SM, Packaging=TapeandReel, Pins=2, Recovery Time=4ns, RoHS Compliant=True
J1 J2 J4 J6 J8: library part CMP-009-00061-2, Pins=2
J? J?: "SQ Post Socket, Through-hole, Vertical, -55 to 125 degC, 2.54 mm Pitch, 52-Pin, Female, RoHS", Manufacturer=Samtec, Temperature Range="-55 to 125 degC", ComponentLink1Description="Manufacturer URL", ComponentLink1URL=http://www.samtec.com, ComponentLink2Description=Datasheet, ComponentLink2URL=http://www.samtec.com/documents/webfiles/pdf/SSQ_TH.PDF, ComponentLink3Description="Package Specification", ComponentLink3URL=http://www.samtec.com/documents/webfiles/cpdf/SSQ-1XX-XX-XXX-X-XX-XXX-XX-X-MKT.pdf, DatasheetVersion=F-214, Mounting Technology=Through-hole, Orientation=Vertical, PackageDescription="Assembly, Socket Strip .025[0.64] SQ Tail", PackageReference=SSQ-126-22-X-D, PackageVersion="BD, 6/1987", PartNumber=SSQ-126-22-G-D, Pitch="2.54 mm", RoHS=True